# Altium PCB PCB.PcbDoc (part 2 of 5)
Units mm, origin at the board's own origin, x right, y up, seen from the top; angles counter-clockwise.
Board outline 68 x 45 mm, 4 copper layers (Component Side, Ground Layer, Power Layer, Solder Side), stack 0.856 mm thick; 113 components, 124 nets, 534 pads, 247 vias.
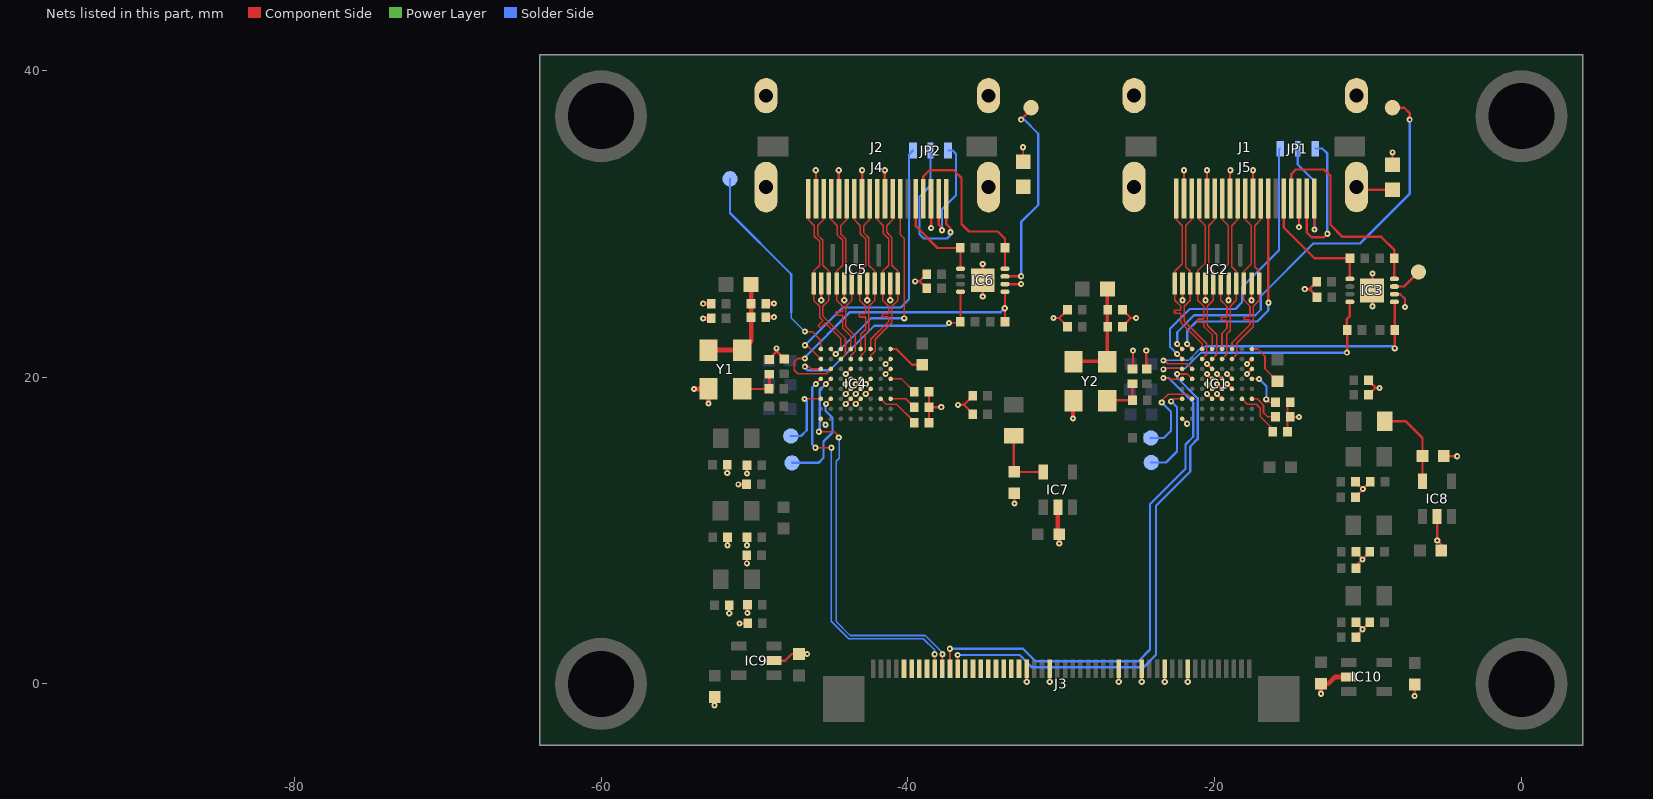
[diagram p4: the nets of this part, all layers, seen from the top]

## Via types
v1: diameter 0.4, hole 0.15, Component Side to Solder Side, 247 vias

## Nets (pads, with @x,y where several pads share a name; then routed paths per layer and width w, separated by ;. In a path a pad name is that pad's centre, name@x,y a point inside that pad or via, vN(x,y) a via of type N, cw(c..) or ccw(c..) an arc to the next point about the centre after c; other vN are vias at no path point) (continued)
GND: C1.1 C2.1 C3.1 C4.1 C5.1 C6.1 C7.1 C8.2 C9.1 C10.1 C11.1 C12.1 C13.1 C14.1 C15.1 C16.1 C17.1 C18.1 C19.1 C20.1 C21.1 C22.1 C23.1 C24.1 C25.1 C26.1 C27.1 C28.1 C29.1 C30.1 C31.1 C32.1 C33.1 C34.1 C35.1 C36.1 C37.1 C38.1 C39.1 C40.1 C41.1 C42.1 C43.1 C44.1 C45.1 C46.1 C47.1 C48.1 C49.1 C50.1 C51.1 C52.2 IC1.A2 IC1.A3 IC1.C4 IC1.C5 IC1.D4 IC1.D5 IC1.D6 IC1.E3 IC1.E4 IC1.E5 IC1.E6 IC1.H8 IC2.2 IC2.5 IC2.8 IC2.11 IC3.2 IC3.9 IC4.A2 IC4.A3 IC4.C4 IC4.C5 IC4.D4 IC4.D5 IC4.D6 IC4.E3 IC4.E4 IC4.E5 IC4.E6 IC4.H8 IC5.2 IC5.5 IC5.8 IC5.11 IC6.2 IC6.9 IC7.2 IC8.2 IC9.2 IC10.2 J1.2 J1.5 J1.8 J1.11 J1.17 J2.2 J2.5 J2.8 J2.11 J2.17 J3.9 J3.12 J3.15 J3.18 J3.27 J3.30 J4.2 J4.5 J4.8 J4.11 J4.17 J5.2 J5.5 J5.8 J5.11 J5.17 L2.1 L4.1 Y1.2 Y2.2 | length 102.9
  Component Side w0.105: IC4.H8@-45.669,17.275 -45.669,17.196 v1(-45.364,16.891) ; v1(-44.044,18.25) IC4.E6@-43.719,18.575 ; v1(-44.044,18.9) IC4.E5@-43.719,19.225 ; v1(-44.044,19.55) IC4.E4@-43.719,19.875 ; v1(-44.044,20.2) IC4.E3@-43.719,20.525 ; v1(-43.394,18.25) IC4.D6@-43.069,18.575 ; v1(-43.394,18.9) IC4.D5@-43.069,19.225 ; v1(-43.394,19.55) IC4.D4@-43.069,19.875 ; v1(-42.744,18.9) IC4.C5@-42.419,19.225 ; v1(-42.744,19.55) IC4.C4@-42.419,19.875 ; v1(-41.444,20.2) IC4.A3@-41.119,20.525 ; v1@-41.444,20.85 IC4.A2@-41.119,21.175 ; v1@-32.487,34.95 -32.472,34.935 L4.1@-32.472,34.03 ; v1(-32.25,0.135) J3.30@-32.25,0.99 ; v1(-30.75,0.135) J3.27@-30.75,0.99 ; Y2.2@-29.235,18.454 Y2.2@-29.197,18.493 ; v1(-26.25,0.135) J3.18@-26.25,0.99 ; v1(-24.75,0.135) J3.15@-24.75,0.99 ; v1(-23.25,0.135) J3.12@-23.25,0.99 ; v1(-21.75,0.135) J3.9@-21.75,0.99 ; v1@-19.842,20.069 v1@-19.82,20.072 ; IC1.A3@-17.567,20.525 IC1.A3@-17.567,20.539
  Component Side w0.15: v1(-52.603,-1.4) -52.603,-0.872 C27.1@-52.593,-0.862 ; v1(-51.768,13.747) C37.1@-51.768,14.275 ; v1(-51.758,9.035) C31.1@-51.758,9.562 ; v1(-51.641,4.603) C43.1@-51.641,5.131 ; v1(-51.045,13.005) C39.1@-50.518,13.005 ; v1(-50.969,3.937) C45.1@-50.442,3.937 ; v1(-50.493,7.855) C33.1@-50.493,8.382 ; v1(-50.483,9.035) C32.1@-50.483,9.562 ; v1(-50.483,13.709) C38.1@-50.483,14.236 ; v1(-50.457,4.617) C44.1@-50.457,5.144 ; C5.1@-49.032,21.148 -49.032,21.199 -48.565,21.666 v1@-48.565,21.696 ; IC9.2@-48.726,1.513 -47.992,1.513 -47.562,1.943 C29.1@-47.092,1.943 v1(-46.564,1.943) ; v1(-48.565,21.869) v1@-48.565,21.696 ; C6.1@-48.042,21.173 v1@-48.565,21.696 ; v1(-45.999,33.477) -45.987,33.465 J4.2@-45.987,32.323 J2.2@-45.987,31.618 ; v1(-44.501,33.477) -44.501,31.632 J2.5@-44.487,31.618 ; J2.8@-42.987,31.618 -42.977,31.629 v1(-42.977,33.477) ; v1(-41.504,33.477) -41.504,31.635 J2.11@-41.487,31.618 ; v1(-39.522,26.238) -39.243,26.238 ; C8.2@-38.768,25.773 -39.233,26.238 -39.243,26.238 ; C7.1@-38.768,26.713 -39.243,26.238 ; C18.1@-38.621,17.01 C17.1@-38.621,18.026 ; C16.1@-38.621,19.042 C17.1@-38.621,18.026 ; J2.17@-38.487,31.618 -38.481,31.612 v1(-38.481,29.718) ; v1(-37.821,18.034) -38.613,18.034 C17.1@-38.621,18.026 ; v1(-36.728,18.186) -36.345,18.186 ; C22.1@-35.761,17.577 -35.761,17.602 -36.345,18.186 ; C21.1@-35.761,18.771 -36.345,18.186 ; v1(-35.113,25.242) IC6.9@-35.113,26.307 v1(-35.113,27.371) ; IC6.2@-33.663,26.057 -32.617,26.057 v1(-32.614,26.06) ; C19.1@-33.06,12.421 -33.045,12.407 v1(-33.045,11.76) ; v1(-30.499,23.843) -30.127,23.843 ; C11.1@-29.586,23.292 -30.127,23.833 -30.127,23.843 ; C10.1@-29.586,24.384 -30.127,23.843 ; C12.1@-26.01,23.292 -26.01,23.302 -25.468,23.843 ; C13.1@-26.01,24.384 -25.468,23.843 ; C14.1@-25.353,20.522 -25.324,20.552 v1@-25.324,21.768 ; v1(-25.114,23.843) -25.468,23.843 ; C15.1@-24.46,20.501 v1(-24.46,21.717) ; IC1.H8@-22.117,17.275 v1(-21.792,16.95) ; J1.2@-21.997,31.628 J5.2@-21.997,32.332 v1(-21.996,33.477) ; v1(-20.498,33.477) -20.498,31.629 J1.5@-20.497,31.628 ; v1(-20.492,18.9) IC1.E6@-20.167,18.575 ; v1(-20.492,19.55) IC1.E5@-20.167,19.225 ; v1(-20.492,20.2) IC1.E4@-20.167,19.875 ; v1(-20.492,20.85) IC1.E3@-20.167,20.525 ; v1(-19.842,18.9) IC1.D6@-19.517,18.575 ; v1(-19.842,19.55) IC1.D5@-19.517,19.225 ; v1(-19.842,20.2) IC1.D4@-19.517,19.875 ; v1(-19.192,19.55) IC1.C5@-18.867,19.225 ; v1(-19.192,20.2) IC1.C4@-18.867,19.875 ; J1.8@-18.997,31.628 -18.997,33.454 v1(-18.974,33.477) ; v1(-17.892,20.2) IC1.A3@-17.567,20.525 ; v1@-17.892,20.85 IC1.A2@-17.567,21.175 ; v1(-17.501,33.477) -17.501,31.632 J1.11@-17.497,31.628 ; C50.1@-15.247,16.537 C9.1@-15.247,18.467 ; C49.1@-15.243,17.399 -15.115,17.399 v1(-14.503,17.399) ; v1(-14.503,29.769) -14.497,29.776 J1.17@-14.497,31.628 J5.17@-14.497,32.332 ; v1(-14.122,25.73) -13.816,25.73 ; C51.1@-13.337,26.209 -13.816,25.73 ; C52.2@-13.332,25.197 -13.332,25.247 -13.816,25.73 ; -12.192,0.406 -11.288,0.406 IC10.2@-11.249,0.445 ; C48.1@-10.823,12.167 -10.338,12.652 v1@-10.338,12.697 ; C47.1@-10.823,13.183 -10.34,12.7 v1(-10.338,12.7) v1@-10.338,12.697 ; C36.1@-10.788,3.036 -10.788,3.132 v1(-10.363,3.556) ; C35.1@-10.788,4.026 -10.788,4.006 -10.363,3.581 v1(-10.363,3.556) ; C42.1@-10.788,7.532 -10.788,7.704 v1@-10.364,8.128 ; C41.1@-10.788,8.568 -10.364,8.145 v1@-10.364,8.128 ; C23.1@-9.975,18.835 -9.531,19.279 -9.479,19.279 ; C24.1@-9.975,19.774 -9.479,19.279 ; C34.1@-9.893,4.026 v1(-10.363,3.556) ; C40.1@-9.893,8.598 v1@-10.364,8.128 ; C46.1@-9.853,13.183 v1@-10.338,12.697 ; v1(-9.703,24.615) -9.703,25.679 v1(-9.703,26.744) ; v1(-9.246,19.279) -9.479,19.279 ; L2.1@-8.407,33.835 v1(-8.407,34.646) ; IC3.2@-8.282,25.397 -7.897,25.397 -7.595,25.095 v1(-7.595,24.562) ; v1(-6.96,-0.787) C28.1@-6.96,-0.038 ; IC8.2@-5.512,10.893 -5.486,10.867 v1(-5.486,9.347) -5.22,9.08 C26.1@-5.22,8.687 ; C20.1@-5.057,14.847 -5.044,14.834 v1(-4.191,14.834)
  Component Side w0.152: v1(-45.644,25.007) IC5.2@-45.644,26.093 ; v1(-44.144,25.007) IC5.5@-44.144,26.093 ; v1(-42.644,25.007) IC5.8@-42.644,26.093 ; v1(-41.144,25.007) IC5.11@-41.144,26.093 ; v1(-22.092,25.007) IC2.2@-22.092,26.093 ; v1(-20.592,25.007) IC2.5@-20.592,26.093 ; v1(-19.092,25.007) IC2.8@-19.092,26.093 ; v1(-17.592,25.007) IC2.11@-17.592,26.093
  Component Side w0.25: v1(-29.235,17.297) Y2.2@-29.235,18.454
  Component Side w0.3: v1(-53.942,19.22) Y1.2@-52.995,19.22 v1(-52.995,18.273) ; v1@-53.383,23.818 C1.1@-52.849,23.818 ; v1@-53.383,24.783 C2.1@-52.849,24.783 ; C3.1@-49.248,24.791 v1@-48.713,24.791 ; C4.1@-49.222,23.902 v1@-48.688,23.902 ; IC7.2@-30.215,11.512 -30.215,9.829 C25.1@-30.127,9.741 v1(-30.127,9.141) ; v1(-13.071,-0.645) C30.1@-13.071,0 -12.598,0 -12.192,0.406 -12.153,0.445 IC10.2@-11.249,0.445
  Power Layer w0.2: v1@-30.175,9.093 v1(-30.127,9.141)
  other v1: -10.363,8.103 -41.444,20.85 -17.892,20.85 -25.324,21.717 -53.341,23.818 -48.722,23.901 -53.341,24.783 -48.722,24.79 -32.487,34.976
GPIO1: J3.31
GPIO2: J3.32
GPIO3: J3.33
GPIO4: J3.34
HDMI1_CEC: IC4.G1 J2.13 J4.13 | length 14.5
  Component Side w0.105: IC4.G1@-45.019,21.825 v1(-44.694,21.5) ; J4.13@-40.487,32.323 -40.487,29.286 -40.234,29.032 v1(-40.234,23.825)
  Solder Side w0.105: v1@-44.704,21.51 v1(-44.694,21.5)
  Solder Side w0.15: v1@-44.704,21.51 -42.389,23.825 v1(-40.234,23.825)
HDMI1_CLK_N: IC4.C2 IC5.12 J2.12 J4.12 | length 11.7
  Component Side w0.105: IC4.C2@-42.419,21.175 -42.419,21.4 -42.298,21.521 -42.293,21.521 -42.115,21.699 -42.115,22.46 -41.039,23.536 -41.039,24.612 -40.644,25.007 IC5.12@-40.644,26.093 -40.644,26.886 -41.039,27.281 -41.039,29.093 -41.382,29.437 -41.382,29.87 -40.987,30.265 J2.12@-40.987,31.618
HDMI1_CLK_P: IC4.C1 IC5.10 J2.10 J4.10 | length 11.7
  Component Side w0.105: IC4.C1@-42.419,21.825 -42.419,22.453 -41.249,23.623 -41.249,23.868 -41.291,23.91 -41.626,23.91 -41.668,23.952 -41.668,24.078 -41.626,24.12 -41.291,24.12 -41.249,24.162 -41.249,24.33 -41.249,24.435 -41.249,24.612 -41.644,25.007 IC5.10@-41.644,26.093 -41.644,26.886 -41.249,27.281 -41.249,29.006 -41.592,29.35 -41.592,29.87 -41.987,30.265 J2.10@-41.987,31.618
HDMI1_D0_N: IC4.D2 IC5.9 J2.9 J4.9 | length 11.3
  Component Side w0.105: IC4.D2@-43.069,21.175 -43.069,21.395 -42.765,21.699 -42.765,22.8 -42.539,23.027 -42.539,24.612 -42.144,25.007 IC5.9@-42.144,26.093 -42.144,26.886 -42.539,27.281 -42.539,29.083 -42.882,29.427 -42.882,29.87 -42.487,30.265 J2.9@-42.487,31.618
HDMI1_D0_P: IC4.D1 IC5.7 J2.7 J4.7 | length 11.3
  Component Side w0.105: J2.7@-43.487,31.618 -43.487,30.265 -43.092,29.87 -43.092,29.34 -42.749,28.996 -42.749,27.281 -43.144,26.886 IC5.7@-43.144,26.093 -43.144,25.007 -42.749,24.612 -42.749,24.435 -42.749,24.33 -42.749,24.162 -42.791,24.12 -43.124,24.12 -43.166,24.078 -43.166,23.952 -43.124,23.91 -42.791,23.91 -42.749,23.868 -42.749,23.825 -42.749,23.114 -43.069,22.793 IC4.D1@-43.069,21.825
HDMI1_D1_N: IC4.E2 IC5.6 J2.6 J4.6 | length 11.5
  Component Side w0.105: J2.6@-43.987,31.618 -43.987,30.265 -44.382,29.87 -44.382,29.346 -44.039,29.002 -44.039,27.281 -43.644,26.886 IC5.6@-43.644,26.093 -43.644,25.007 -44.039,24.612 -44.039,23.287 -43.415,22.663 -43.415,21.699 -43.593,21.521 -43.598,21.521 -43.719,21.4 IC4.E2@-43.719,21.175
HDMI1_D1_P: IC4.E1 IC5.4 J2.4 J4.4 | length 11.5
  Component Side w0.105: J2.4@-44.987,31.618 -44.987,30.265 -44.592,29.87 -44.592,29.259 -44.249,28.915 -44.249,27.281 -44.644,26.886 IC5.4@-44.644,26.093 -44.644,25.007 -44.249,24.612 -44.249,24.562 -44.249,24.457 -44.249,24.289 -44.291,24.247 -44.662,24.247 -44.704,24.205 -44.704,24.079 -44.662,24.037 -44.282,24.037 -44.249,24.003 -44.249,23.2 -43.719,22.67 IC4.E1@-43.719,21.825
HDMI1_D2_N: IC4.F2 IC5.3 J2.3 J4.3 | length 11.8
  Component Side w0.105: J2.3@-45.487,31.618 -45.487,30.265 -45.882,29.87 -45.882,29.263 -45.539,28.919 -45.539,27.281 -45.144,26.886 IC5.3@-45.144,26.093 -45.144,25.007 -45.539,24.612 -45.539,23.978 -44.065,22.504 -44.065,21.479 IC4.F2@-44.369,21.175
HDMI1_D2_P: IC4.F1 IC5.1 J2.1 J4.1 | length 11.8
  Component Side w0.105: J2.1@-46.487,31.618 -46.487,30.265 -46.092,29.87 -46.092,29.176 -45.749,28.832 -45.749,27.281 -46.144,26.886 IC5.1@-46.144,26.093 -46.144,25.007 -45.749,24.612 -45.749,24.511 -45.749,24.406 -45.749,24.196 -45.749,23.986 -45.749,23.891 -45.674,23.816 -45.556,23.698 -45.556,23.638 -45.819,23.375 -45.819,23.315 -45.73,23.226 -45.671,23.226 -45.407,23.49 -45.348,23.49 -45.181,23.323 -44.369,22.511 IC4.F1@-44.369,21.825
HDMI1_DDC_SCL: IC6.5 J2.15 J4.15 R8.1 | length 7.3
  Component Side w0.15: J4.15@-39.487,32.323 -39.487,29.835 -38.067,28.415 R8.1@-36.584,28.415 -36.563,28.394 IC6.5@-36.563,27.057
HDMI1_DDC_SCL_3V3: IC4.H3 IC6.8 R10.1 | length 14.6
  Component Side w0.105: v1(-46.711,20.676) -46.457,20.676 -46.306,20.525 IC4.H3@-45.669,20.525 ; v1@-37.236,23.546 -36.627,23.546 R10.1@-36.584,23.589
  Component Side w0.15: R10.1@-36.584,23.589 -36.563,23.609 IC6.8@-36.563,25.557
  Solder Side w0.15: v1@-46.761,20.676 -46.533,20.447 -45.085,20.447 -42.189,23.343 -37.49,23.343 v1(-37.312,23.521)
HDMI1_DDC_SDA: IC6.4 J2.16 J4.16 R9.1 | length 12.5
  Component Side w0.15: J2.16@-38.987,31.618 -38.987,33.072 -38.583,33.477 -37.008,33.477 -36.5,32.969 -36.5,29.972 -36.017,29.489 -34.138,29.489 -33.668,29.02 R9.1@-33.668,28.415 -33.663,28.41 IC6.4@-33.663,27.057
HDMI1_DDC_SDA_3V3: IC4.G3 IC6.1 R11.1 | length 20.5
  Component Side w0.105: v1@-46.584,21.209 v1(-46.711,21.209) -47.168,21.209 -47.396,20.98 -47.396,20.447 -47.168,20.218 -45.326,20.218 IC4.G3@-45.019,20.525
  Component Side w0.15: IC4.G3@-45.019,20.46 IC4.G3@-45.019,20.525 ; R11.1@-33.668,23.589 -33.668,25.552 IC6.1@-33.663,25.557
  Solder Side w0.15: v1@-46.736,21.209 v1@-46.724,21.221 ; v1(-46.711,21.209) -46.711,21.285 -43.764,24.232 -33.934,24.232 v1(-33.68,24.486)
HDMI1_HPD: J2.19 J4.19 JP2.2 | length 10.5
  Component Side w0.15: J2.19@-37.487,31.618 -37.49,31.615 -37.49,29.972 -37.211,29.693 v1(-37.211,29.439)
  Solder Side w0.15: JP2.2@-38.517,34.765 -38.517,32.476 -39.243,31.75 -39.243,29.312 -38.964,29.032 -37.44,29.032 -37.211,29.261 v1(-37.211,29.439)
HDMI1_HPDI: IC4.H2 JP2.3 | length 19.2
  Component Side w0.105: v1(-46.711,22.073) -46.566,22.073 IC4.H2@-45.669,21.175
  Solder Side w0.15: v1(-46.711,22.073) -44.247,24.536 -40.462,24.536 -39.929,25.07 -39.929,34.496 JP2.3@-39.66,34.765
HDMI1_HPDO: IC4.H1 TP1.1 | length 13.8
  Component Side w0.105: v1(-46.711,22.962) -46.228,22.962 -45.669,22.403 IC4.H1@-45.669,21.825
  Solder Side w0.105: -47.6,24.232 -47.6,23.85 v1(-46.711,22.962)
  Solder Side w0.15: TP1.1@-51.587,32.918 -51.587,30.683 -47.6,26.695 -47.6,24.232
HDMI1_PWR: J2.18 J4.18 JP2.1 | length 8.1
  Component Side w0.15: J2.18@-37.987,31.618 -37.987,29.936 -37.77,29.718 v1(-37.77,29.566)
  Solder Side w0.15: v1(-37.77,29.566) -37.77,30.937 -36.855,31.852 -36.855,34.544 -37.076,34.765 JP2.1@-37.374,34.765
HDMI2_CEC: IC1.G1 J1.13 J5.13 | length 14.5
  Component Side w0.15: v1(-21.792,22.15) IC1.G1@-21.467,21.825 ; v1@-16.497,24.805 J1.13@-16.497,31.628 J1.13@-16.495,31.626
  Solder Side w0.15: v1(-21.792,22.15) -21.792,23.014 -21.184,23.622 -17.221,23.622 -16.495,24.348 v1@-16.495,24.805
  other v1: -16.485,24.841
HDMI2_CLK_N: IC1.C2 IC2.12 J1.12 J5.12 | length 12.2
  Component Side w0.105: IC1.C2@-18.867,21.175 -18.563,21.479 -18.563,22.204 -17.487,23.28 -17.487,24.612 -17.092,25.007 IC2.12@-17.092,26.093 -17.092,26.886 -17.392,27.186 -17.392,29.87 -16.997,30.265 J1.12@-16.997,31.628 J5.12@-16.997,32.332
HDMI2_CLK_P: IC1.C1 IC2.10 J1.10 J5.10 | length 12.2
  Component Side w0.105: IC1.C1@-18.867,21.825 -18.867,22.23 -17.697,23.401 -17.697,23.622 -17.697,23.685 -17.739,23.727 -18.033,23.727 -18.075,23.769 -18.075,23.895 -18.033,23.937 -17.739,23.937 -17.697,23.979 -17.697,24.612 -18.092,25.007 IC2.10@-18.092,26.093 -18.092,26.886 -17.602,27.376 -17.602,29.87 -17.997,30.265 J1.10@-17.997,31.628 J5.10@-17.997,32.332
HDMI2_D0_N: IC1.D2 IC2.9 J1.9 J5.9 | length 11.1
  Component Side w0.105: IC1.D2@-19.517,21.175 -19.213,21.479 -19.213,22.799 -18.987,23.025 -18.987,24.612 -18.592,25.007 IC2.9@-18.592,26.093 -18.592,26.886 -18.892,27.186 -18.892,29.87 -18.497,30.265 J1.9@-18.497,31.628
HDMI2_D0_P: IC1.D1 IC2.7 J1.7 J5.7 | length 11.1
  Component Side w0.105: IC1.D1@-19.517,21.825 -19.517,22.85 -19.197,23.171 -19.197,23.276 -19.197,23.486 -19.197,23.654 -19.239,23.696 -19.533,23.696 -19.575,23.738 -19.575,23.864 -19.533,23.906 -19.239,23.906 -19.197,23.948 -19.197,24.612 -19.592,25.007 IC2.7@-19.592,26.093 -19.592,26.886 -19.102,27.376 -19.102,29.87 -19.497,30.265 J1.7@-19.497,31.628
HDMI2_D1_N: IC1.E2 IC2.6 J1.6 J5.6 | length 11.3
  Component Side w0.105: IC1.E2@-20.167,21.175 -19.863,21.479 -19.863,22.758 -20.487,23.382 -20.487,24.612 -20.092,25.007 IC2.6@-20.092,26.093 -20.092,26.886 -20.392,27.186 -20.392,29.87 -19.997,30.265 J1.6@-19.997,31.628
HDMI2_D1_P: IC1.E1 IC2.4 J1.4 J5.4 | length 11.3
  Component Side w0.105: J1.4@-20.997,31.628 -20.997,30.265 -20.602,29.87 -20.602,27.43 -21.092,26.94 IC2.4@-21.092,26.093 -21.092,25.007 -20.697,24.612 -20.697,23.827 -20.739,23.785 -21.072,23.785 -21.114,23.743 -21.114,23.617 -21.072,23.575 -20.739,23.575 -20.697,23.533 -20.697,23.47 -20.697,23.295 -20.167,22.766 IC1.E1@-20.167,21.825
HDMI2_D2_N: IC1.F2 IC2.3 J1.3 J5.3 | length 11.6
  Component Side w0.105: J1.3@-21.497,31.628 -21.497,30.265 -21.892,29.87 -21.892,27.186 -21.592,26.886 IC2.3@-21.592,26.093 -21.592,25.007 -21.987,24.612 -21.987,23.638 -20.513,22.164 -20.513,21.479 IC1.F2@-20.817,21.175
HDMI2_D2_P: IC1.F1 IC2.1 J1.1 J5.1 | length 11.6
  Component Side w0.105: J1.1@-22.497,31.628 -22.497,30.265 -22.102,29.87 -22.102,27.376 -22.592,26.886 IC2.1@-22.592,26.093 -22.592,25.007 -22.197,24.612 -22.197,24.399 -22.239,24.357 -22.572,24.357 -22.614,24.315 -22.614,24.189 -22.572,24.147 -22.239,24.147 -22.197,24.105 -22.197,23.937 -22.197,23.727 -22.197,23.622 -22.197,23.543 -20.817,22.163 IC1.F1@-20.817,21.825
HDMI2_DDC_SCL: IC3.5 J1.15 J5.15 R2.1 | length 9.1
  Component Side w0.15: J5.15@-15.497,32.332 -15.497,29.746 -13.487,27.737 R2.1@-11.173,27.737 -11.182,27.728 IC3.5@-11.182,26.397
HDMI2_DDC_SCL_3V3: IC1.H3 IC3.8 R4.1 | length 17.1
  Component Side w0.105: v1@-23.317,20.498 -23.241,20.574 -22.166,20.574 IC1.H3@-22.117,20.525
  Component Side w0.15: v1(-11.379,21.59) -11.355,21.614 R4.1@-11.355,23.065 -11.379,23.088 -11.379,23.774 -11.182,23.971 IC3.8@-11.182,24.897
  Solder Side w0.105: v1@-23.317,20.498 -23.238,20.577 -21.918,20.577 -20.904,21.59 -20.701,21.59
  Solder Side w0.15: -20.701,21.59 v1(-11.379,21.59)
  other v1: -23.343,20.498
HDMI2_DDC_SDA: IC3.4 J1.16 J5.16 R3.1 | length 14.4
  Component Side w0.15: J1.16@-14.997,31.628 -14.997,33.238 -14.707,33.528 -12.878,33.528 -12.446,33.096 -12.446,29.921 -11.659,29.134 -9.144,29.134 -8.283,28.273 R3.1@-8.283,27.737 ; IC3.4@-8.282,26.397 R3.1@-8.283,27.737
HDMI2_DDC_SDA_3V3: IC1.G3 IC3.1 R5.1 | length 20.5
  Component Side w0.105: v1@-23.266,21.082 -23.055,20.871 -21.813,20.871 IC1.G3@-21.467,20.525
  Component Side w0.15: IC3.1@-8.262,24.877 -8.262,23.315 -8.255,23.308 v1(-8.255,21.869)
  Solder Side w0.105: v1@-23.266,21.082 -21.709,21.082 -20.807,21.984 -20.561,21.984 -20.549,21.996
  Solder Side w0.15: -20.549,21.996 -8.382,21.996 v1(-8.255,21.869)
  other v1: -23.343,21.082
HDMI2_HPD: J1.19 J5.19 JP1.2 | length 7.7
  Component Side w0.15: J1.19@-13.497,31.628 -13.487,31.618 v1(-13.487,29.616)
  Solder Side w0.15: JP1.2@-14.58,34.874 -14.58,33.858 -13.487,32.766 v1(-13.487,29.616)
HDMI2_HPDI: IC1.H2 JP1.3 | length 18.8
  Component Side w0.15: v1(-22.442,21.5) IC1.H2@-22.117,21.175
  Solder Side w0.15: v1(-22.442,21.5) -22.911,21.969 -22.911,23.139 -21.615,24.435 -18.644,24.435 -18.212,24.867 -18.212,25.857 -15.799,28.27 -15.799,34.849 JP1.3@-15.748,34.9
HDMI2_HPDO: IC1.H1 TP5.1 | length 27.2
  Component Side w0.15: v1(-22.442,22.15) IC1.H1@-22.117,21.825 ; TP5.1@-8.412,37.559 -7.638,37.559 -7.29,37.211 v1(-7.29,36.779)
  Solder Side w0.15: v1(-22.442,22.15) -22.442,22.922 -21.336,24.028 -17.348,24.028 -16.995,24.382 -16.995,25.271 -13.564,28.702 -10.516,28.702 -7.29,31.928 v1(-7.29,36.779)
HDMI2_PWR: J1.18 J5.18 JP1.1 | length 9.9
  Component Side w0.15: J1.18@-13.997,31.628 -13.997,29.414 -13.691,29.108 -12.878,29.108 v1(-12.649,29.337)
  Solder Side w0.15: JP1.1@-13.411,34.9 -12.979,34.9 -12.649,34.569 v1(-12.649,29.337)
I2C1_SCL: IC4.H4 J3.42 | length 26
  Component Side w0.105: v1(-46.025,15.392) v1@-45.009,15.392 ; IC4.H4@-45.669,19.875 v1@-45.986,19.558 ; J3.42@-38.25,0.99 v1(-38.25,1.928) ; v1@-45.986,19.558 v1(-45.994,19.55) v1@-45.986,19.558
  Solder Side w0.105: v1@-44.983,15.494 -44.983,4.077 -43.85,2.943 -38.986,2.943 -38.25,2.207 v1(-38.25,1.928)
  Solder Side w0.15: v1(-46.025,15.392) -46.228,15.596 -46.228,19.316 v1(-45.994,19.55)
  other v1: -44.983,15.392
I2C1_SDA: IC4.G4 J3.41 | length 26
  Component Side w0.105: v1(-45.796,16.434) -44.78,16.434 -44.501,16.154 v1(-44.501,16.053) ; v1(-45.344,19.55) IC4.G4@-45.019,19.875 ; J3.41@-37.75,0.99 -37.744,0.996 v1(-37.744,1.928)
  Solder Side w0.105: v1@-44.526,16.027 -44.475,15.977 -44.475,14.707 -44.674,14.508 -44.674,4.06 -43.764,3.15 -38.862,3.15 -37.77,2.057 v1@-37.744,2.057
  Solder Side w0.15: v1(-45.796,16.434) -45.741,16.489 -45.741,19.156 -45.347,19.55 v1(-45.344,19.55)
I2C3_SCL: IC1.H4 J3.40 | length 36.2
  Component Side w0.105: v1(-37.262,2.286) -37.25,2.274 J3.40@-37.25,0.99 ; v1(-23.343,19.939) -23.063,19.939 -22.97,19.846 -22.146,19.846 IC1.H4@-22.117,19.875
  Solder Side w0.15: v1(-37.262,2.286) -32.487,2.286 -31.674,1.473 -24.968,1.473 -24.206,2.235 -24.206,11.709 -21.895,14.021 -21.895,15.596 -21.387,16.104 -21.387,18.339 -22.987,19.939 v1(-23.343,19.939)
I2C3_SDA: IC1.G4 J3.39 | length 35.6
  Component Side w0.105: v1(-36.754,1.88) -36.75,1.876 J3.39@-36.75,0.99 ; v1(-22.442,20.2) -22.438,20.196 -21.788,20.196 IC1.G4@-21.467,19.875
  Solder Side w0.15: v1(-36.754,1.88) -32.709,1.88 -31.901,1.072 -24.639,1.072 -23.822,1.889 -23.822,11.611 -21.59,13.843 -21.59,15.469 -21.107,15.951 -21.107,18.618 -22.442,19.953 v1(-22.442,20.2)
NetC5_2: C5.2 R1.1 Y1.3 | length 2.7
  Component Side w0.15: Y1.3@-50.795,19.22 -50.792,19.223 -49.039,19.223 -49.032,19.229 C5.2@-49.032,20.188
NetC9_2: C9.2 IC1.A4 | length 2.5
  Component Side w0.105: IC1.A4@-17.567,19.875 v1(-17.098,19.875) ; v1@-16.616,18.529 -16.451,18.364 C9.2@-16.203,18.364
  Solder Side w0.15: v1(-17.098,19.875) -16.616,19.393 v1@-16.616,18.529
  other v1: -16.637,18.542
NetC14_2: C14.2 R7.1 Y2.3 | length 2.7
  Component Side w0.15: Y2.3@-26.997,18.493 R7.1@-25.351,18.493 -25.353,18.495 C14.2@-25.353,19.562
NetC16_2: C16.2 IC4.A4 | length 1.9
  Component Side w0.105: IC4.A4@-41.119,19.875 -40.414,19.875 C16.2@-39.581,19.042
NetC17_2: C17.2 IC4.A6 | length 1.8
  Component Side w0.105: IC4.A6@-41.119,18.575 -40.13,18.575 C17.2@-39.581,18.026
NetC18_2: C18.2 IC4.B6 | length 2.9
  Component Side w0.105: IC4.B6@-41.769,18.575 -41.423,18.229 -40.734,18.229 -39.581,17.077 C18.2@-39.581,17.01
NetC19_2: C19.2 IC7.6 L5.1 | length 4.3
  Component Side w0.15: L5.1@-33.086,16.169 -33.086,13.845 C19.2@-33.06,13.818 -33.054,13.812 IC7.6@-31.165,13.812
NetC20_2: C20.2 IC8.6 L6.1 | length 5.7
  Component Side w0.15: L6.1@-8.905,17.107 -7.532,17.107 -6.454,16.03 C20.2@-6.454,14.847 -6.452,14.844 IC8.6@-6.452,13.203
NetC49_2: C49.2 IC1.A6 | length 2.2
  Component Side w0.105: IC1.A6@-17.567,18.575 -17.229,18.575 -16.815,18.161 -16.815,17.678 -16.535,17.399 -16.31,17.399 C49.2@-16.207,17.502
NetC50_2: C50.2 IC1.B6 | length 3.2
  Component Side w0.105: IC1.B6@-18.217,18.575 -17.871,18.229 -17.289,18.229 -17.021,17.961 -17.021,17.428 -16.192,16.599 C50.2@-16.207,16.599
NetIC1_A1: IC1.A1 R6.1 | length 3
  Component Side w0.105: IC1.A1@-17.567,21.825 -17.177,21.825 -16.713,21.361 -16.713,20.536 R6.1@-15.9,19.723
NetIC1_G6: IC1.G6 TP2.1 | length 6
  Component Side w0.105: v1(-23.444,18.339) -23.444,18.466 -23.031,18.879 -21.771,18.879 IC1.G6@-21.467,18.575
  Solder Side w0.15: TP2.1@-24.155,16.027 -23.314,16.027 -22.839,16.503 -22.839,17.734 v1(-23.444,18.339)
NetIC1_H6: IC1.H6 TP3.1 | length 6.2
  Component Side w0.105: v1(-22.835,18.415) -22.674,18.575 IC1.H6@-22.117,18.575
  Solder Side w0.15: TP3.1@-24.13,14.427 -23.165,14.427 -22.454,15.138 -22.454,18.034 v1(-22.835,18.415)
NetIC3_3: IC3.3 TP4.1 | length 2
  Component Side w0.15: IC3.3@-8.282,25.897 -7.656,25.897 TP4.1@-6.706,26.848
NetIC4_A1: IC4.A1 R12.1 | length 2.5
  Component Side w0.152: IC4.A1@-41.119,21.825 -40.748,21.825 -39.713,20.79 R12.1@-39.065,20.79
NetIC4_G6: IC4.G6 TP6.1 | length 6.6
  Component Side w0.105: v1@-45.339,18.263 -45.332,18.263 IC4.G6@-45.019,18.575
  Solder Side w0.105: v1@-45.364,18.263 v1@-45.339,18.263
  Solder Side w0.15: TP6.1@-47.549,14.402 -45.822,14.402 -45.491,14.732 -45.491,15.799 -44.903,16.387 -44.903,17.344 -45.364,17.805 -45.364,18.23 v1@-45.332,18.263
  other v1: -45.339,18.25
NetIC4_H6: IC4.H6 TP7.1 | length 4.4
  Component Side w0.105: v1(-46.736,18.567) -46.728,18.575 IC4.H6@-45.669,18.575
  Solder Side w0.15: TP7.1@-47.625,16.154 -46.965,16.154 -46.584,16.535 -46.584,18.415 v1(-46.736,18.567)
NetIC6_3: IC6.3 TP8.1 | length 13.4
  Component Side w0.15: IC6.3@-33.663,26.557 -33.651,26.568 v1(-32.614,26.568) ; v1(-32.614,36.779) -31.964,37.429 TP8.1@-31.964,37.559
  Solder Side w0.15: v1(-32.614,26.568) -32.614,30.099 -31.496,31.217 -31.496,35.865 -32.41,36.779 v1(-32.614,36.779)
SHIELD: J1.S J2.S L2.2 L4.2 | length 5.2
  Component Side w0.15: J1.S@-25.256,32.378 J1.S@-25.247,32.388 ; J1.S@-10.747,33.018 J1.S@-10.747,32.388 -10.564,32.205 L2.2@-8.407,32.205
  Solder Side w0.15: J2.S@-49.237,32.378 J2.S@-49.237,33.49 ; J2.S@-34.737,32.378 J2.S@-34.737,33.442
SPI_CS: J3.46
SPI_MISO: J3.44
SPI_MOSI: J3.45
SPI_SCK: J3.43
UART3_RX: J3.36
UART3_TX: J3.35
UART4_RX: J3.38
UART4_TX: J3.37
VDD_Y1: C3.2 C4.2 L1.2 Y1.1 Y1.4 | length 6.7
  Component Side w0.3: Y1.1@-52.995,21.76 Y1.4@-50.795,21.76 -50.216,22.339 C4.2@-50.216,23.901 C3.2@-50.216,24.79 L1.2@-50.216,26.027
VDD_Y2: C12.2 C13.2 L3.2 Y2.1 Y2.4 | length 6.9
  Component Side w0.15: Y2.4@-27.008,21.033 Y2.4@-27.002,21.038
  Component Side w0.25: Y2.1@-29.197,21.033 Y2.4@-27.008,21.033 ; Y2.4@-27.002,21.038 L3.2@-27.002,25.73
pads on no net: IC1.A5 IC1.B4 IC1.F7 IC1.F8 IC1.G7 IC1.G8 IC2.15 IC4.A5 IC4.B4 IC4.F7 IC4.F8 IC4.G7 IC4.G8 IC5.15 IC7.4 IC8.4 IC9.4 IC10.4 J3.M J4.M J5.M
copper on no net: | length 2003.9